# Altium PCB RFSOC_SAWG.PcbDoc (part 2 of 15) (continued)
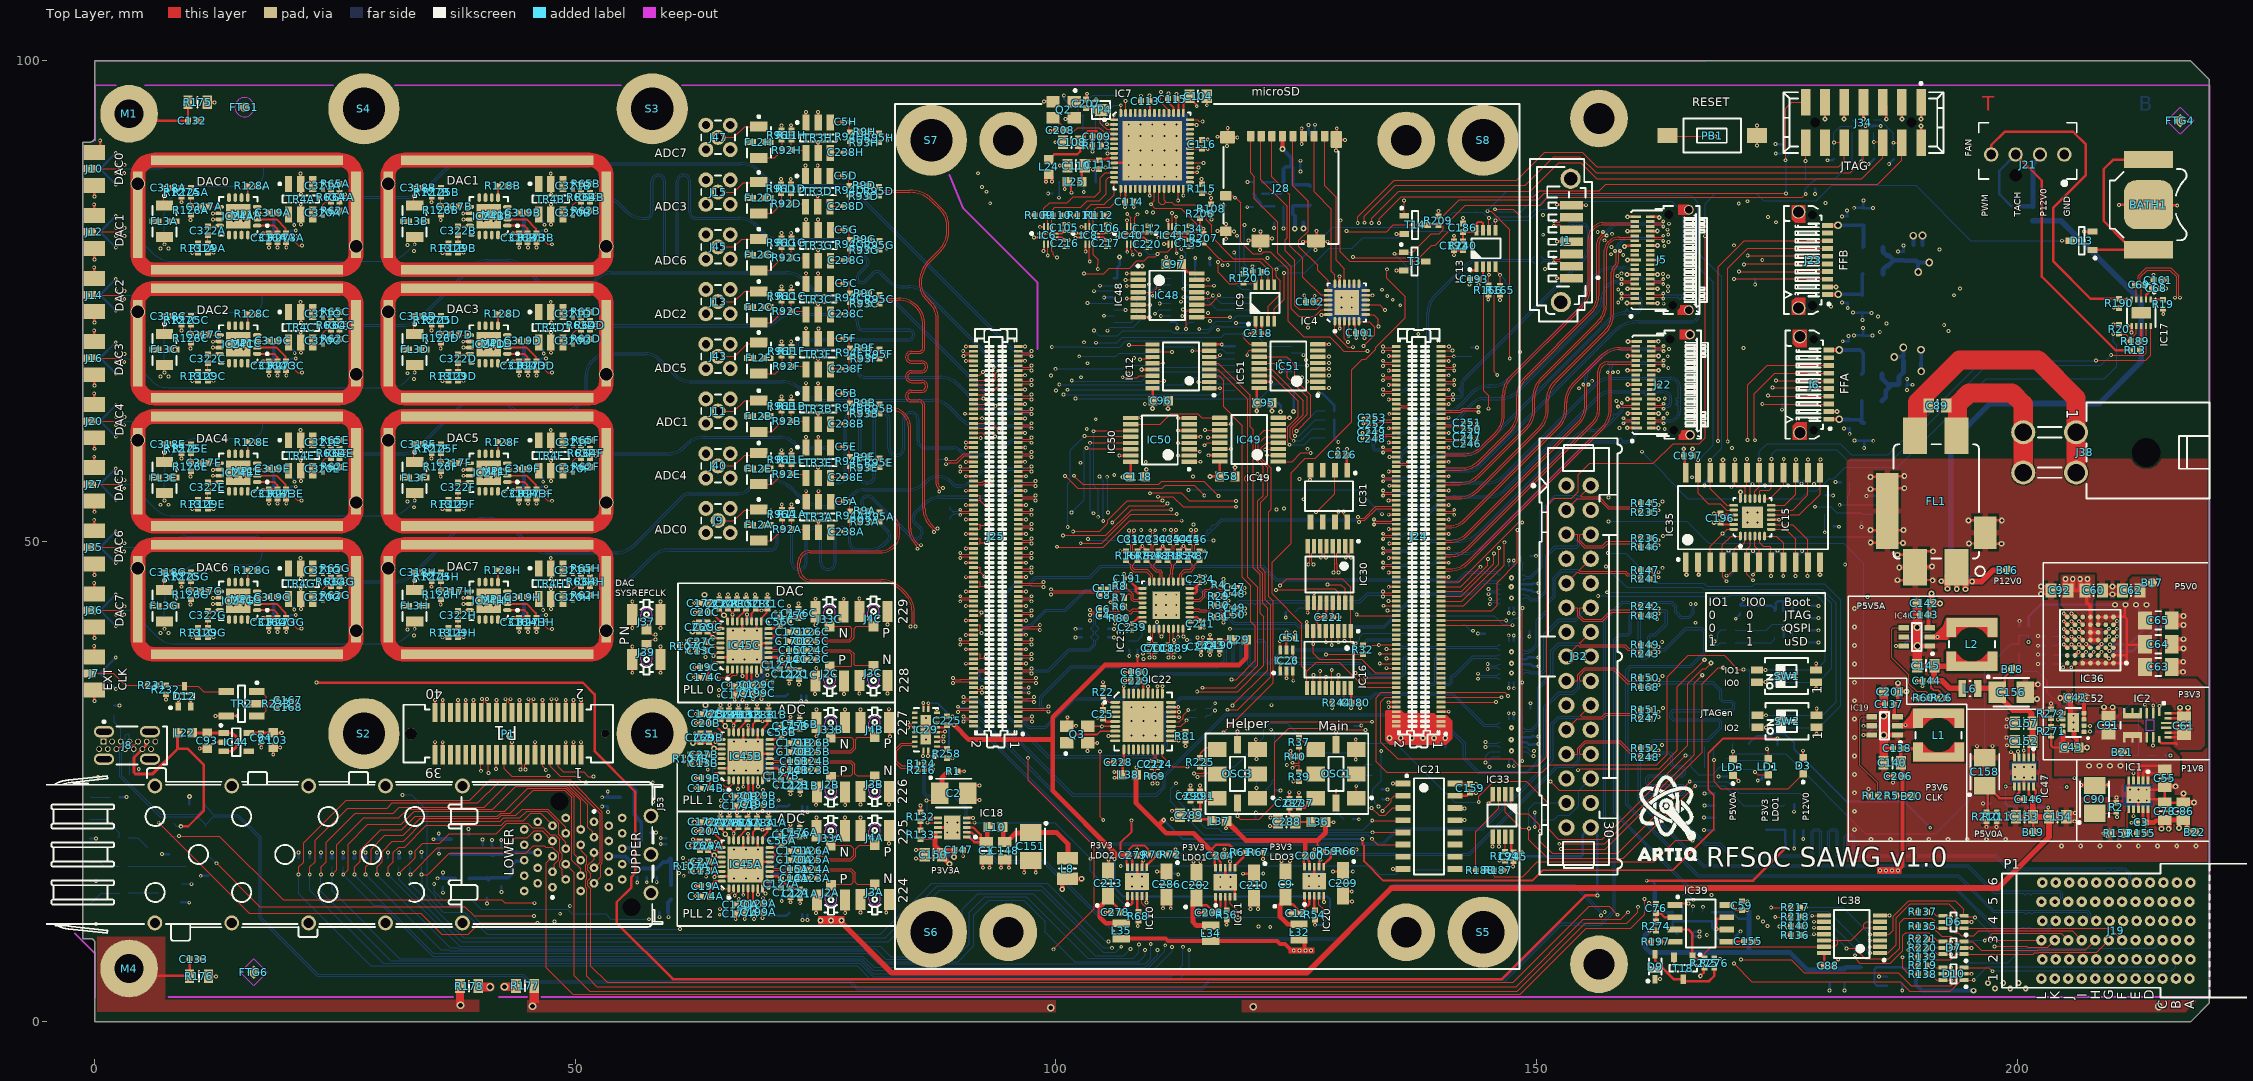
[diagram p0: Top Layer view]
## Components (designator, comment, footprint, x,y, rotation, side; value= is the part's Value field where it differs from the comment) (continued)
FTG2 "Use only in PCB" FIDUCIAL_TOP_S100-200 15.5,95.175 r90 bottom
FTG3 "Use only in PCB" FIDUCIAL_TOP_C100-200 14,5.7 r90 bottom
FTG4 "Use only in PCB" FIDUCIAL_TOP_S100-200 216.975,93.75 r90 top
FTG5 "Use only in PCB" FIDUCIAL_TOP_C100-200 216.975,93.75 r90 bottom
FTG6 "Use only in PCB" FIDUCIAL_TOP_S100-200 16.55,5.15 r90 top
IC1 "LT3045EDD#PBF" SON50P300X300X80-11N-R175X248 212.625,23.625 r270 top
IC2 "MPM3830GQV" MPS_MPM38XXGQV 213.27,30.85 r270 top
IC3 "24AA025E48T-I/OT" SOT95P280X145-6N 176.8,21.3 r270 bottom
IC4 "TXS02612RTWR" QFN50P400X400X80-25N-S255 130.275,74.85 r90 top
IC5 "24AA025E48-I/SN" SOIC127P600X175-8N 175.601,41.378 r180 bottom
IC6 "SN74AVC2T245RSWR" QFN40P140X180X55-10N 99.175,81.825 r0 top
IC7 "FT4232H-56Q" QFN50P800X800X100-57N-S620 110.005,90.62 r0 top
IC8 "SN74AVC2T245RSWR" QFN40P140X180X55-10N 103.483,81.825 r0 top
IC9 "PCA9306DCTR" SOP65P400X130-8N 121.75,74.8 r90 top
IC10 "LT3045EDD#PBF" SON50P300X300X80-11N-R175X248 108.45,14.6 r90 top
IC11 "LT3045EDD#PBF" SON50P300X300X80-11N-R175X248 117.625,14.525 r90 top
IC12 "74LVC595APW" SOP65P640X110-16N 113,68.2 r180 top
IC13 "PCA9306DCTR" SOP65P400X130-8N 144.75,80.475 r90 top
IC14 "MIC5219-3.3YM5" SOT95P280X145-5N 185.175,4.725 r180 bottom
IC15 "TCA9548ARGER" QFN50P400X400X100-25N-S220 172.475,52.5 r90 top
IC16 "SN74CB3T3257PW" SOP65P640X120-16N 128.4,37.7 r270 top
IC17 "LM96163CISD" TEXAS_DSC0010B 212.925,73.775 r270 top
IC18 "LT3045EDD#PBF" SON50P300X300X80-11N-R175X248 89.225,20.225 r180 top
IC19 "AP62201WU-7" SOT95P280X100-6N 186.215,30.81 r180 top
IC20 "LT3045EDD#PBF" SON50P300X300X80-11N-R175X248 126.875,14.625 r90 top
IC21 "SN74LV139AD" SOIC127P600X175-16N 138.825,20.35 r0 top
IC22 "Si5324C-C-GM" QFN50P600X600X90-37N-S425 109.075,31.25 r0 top
IC23 "ADCLK948BCPZ" QFN50P500X500X80-33N-S285 111.475,43.35 r90 top
IC24A "HMC349ALP4CE" QFN65P400X400X100-17N-S255 14.939,83.818 r180 top (schematic designator IC24)
IC24B "HMC349ALP4CE" QFN65P400X400X100-17N-S255 40.974,83.818 r180 top (schematic designator IC24)
IC24C "HMC349ALP4CE" QFN65P400X400X100-17N-S255 14.939,70.483 r180 top (schematic designator IC24)
IC24D "HMC349ALP4CE" QFN65P400X400X100-17N-S255 40.974,70.483 r180 top (schematic designator IC24)
IC24E "HMC349ALP4CE" QFN65P400X400X100-17N-S255 14.939,57.148 r180 top (schematic designator IC24)
IC24F "HMC349ALP4CE" QFN65P400X400X100-17N-S255 40.974,57.148 r180 top (schematic designator IC24)
IC24G "HMC349ALP4CE" QFN65P400X400X100-17N-S255 14.939,43.813 r180 top (schematic designator IC24)
IC24H "HMC349ALP4CE" QFN65P400X400X100-17N-S255 40.974,43.813 r180 top (schematic designator IC24)
IC25 "24AA025E48-I/SN" SOIC127P600X175-8N 171.225,21.875 r0 bottom
IC26 "NC7SZ157P6X" SOT65P210X110-6N 124,37.6 r90 top
IC27 "HD3SS3212RKS" TEXAS_RKS0020A 147.378,45.264 r180 bottom
IC28 "HD3SS3212RKS" TEXAS_RKS0020A 147.378,37.466 r180 bottom
IC29 "HD3SS3212RKS" TEXAS_RKS0020A 86.475,30.4 r180 top
IC30 "MAX9122EUE+" SOP65P640X110-16N 128.475,46.55 r270 top
IC31 "ADN4661BRZ" SOIC127P600X175-8N 128.4,54.7 r270 top
IC32 "74LVC595APW" SOP65P640X110-16N 108.975,75.077 r180 bottom
IC33 "LM75AIMM/NOPB" SOP65P490X109-8N 146.425,21.475 r270 top
IC34 "74LVC595APW" SOP65P640X110-16N 117.35,75.077 r180 bottom
IC35 "PCA9548ADW" SOIC127P1030X265-24N 172.53,52.475 r90 top
IC36 "LTM4638EY" BGA49N80P7X7_625X625X536 207.637,39.729 r180 top
IC37 "M93C46-WMN6TP" SOIC127P600X175-8N 102.225,90.075 r270 bottom
IC38 "74HC4066PW" SOP65P640X110-14N 182.825,9.125 r180 top
IC39 "TLC555ID" SOIC127P600X175-8N 167.1,10.25 r0 top
IC40 "SN74AVC2T245RSWR" QFN40P140X180X55-10N 107.792,81.825 r0 top
IC41 "SN74AVC2T245RSWR" QFN40P140X180X55-10N 112.1,81.825 r0 top
IC42 "HD3SS3212RKS" TEXAS_RKS0020A 147.378,29.359 r180 bottom
IC43 "74LVC595APW" SOP65P640X110-16N 121.55,68 r0 bottom
IC44 "MIC5219-3.3YM5" SOT95P280X145-5N 14.716,29.103 r0 top
IC45A "ADF4355-2BCPZ" QFN50P500X500X80-33N-S375 67.725,16.394 r90 top (schematic designator IC45)
IC45B "ADF4355-2BCPZ" QFN50P500X500X80-33N-S375 67.725,27.635 r90 top (schematic designator IC45)
IC45C "ADF4355-2BCPZ" QFN50P500X500X80-33N-S375 67.597,39.168 r90 top (schematic designator IC45)
IC46 "AP62201WU-7" SOT95P280X100-6N 189.568,40.05 r180 top
IC47 "LT3045EDD#PBF" SON50P300X300X80-11N-R175X248 200.725,26 r270 top
IC48 "SN74LV165APWR" PW0016A_M 111.6,75.6 r0 top
IC49 "SN74LV165APWR" PW0016A_M 120.1,60.575 r180 top
IC50 "SN74LV165APWR" PW0016A_M 110.825,60.552 r180 top
IC51 "SN74LV165APWR" PW0016A_M 124.2,68.225 r180 top
IC52 "TPS82085SIL" TPS82085SILR 205.875,31.15 r180 top
IC53 "24AA025E48T-I/OT" SOT95P280X145-6N 175.726,41.416 r90 bottom
J1 "SATA" MOLEX_67800-5005 153.65,81.165 r90 top locked
J2A "U.FL" HIROSE_U.FL-R-SMT-1(10) 76.6,12.694 r180 top (schematic designator J2)
J2B "U.FL" HIROSE_U.FL-R-SMT-1(10) 76.6,23.935 r180 top (schematic designator J2)
J2C "U.FL" HIROSE_U.FL-R-SMT-1(10) 76.472,35.468 r180 top (schematic designator J2)
J3A "U.FL" HIROSE_U.FL-R-SMT-1(10) 81.15,12.744 r180 top (schematic designator J3)
J3B "U.FL" HIROSE_U.FL-R-SMT-1(10) 81.15,23.985 r180 top (schematic designator J3)
J3C "U.FL" HIROSE_U.FL-R-SMT-1(10) 81.022,35.518 r180 top (schematic designator J3)
J4A "U.FL" HIROSE_U.FL-R-SMT-1(10) 81.15,19.919 r0 top (schematic designator J4)
J4B "U.FL" HIROSE_U.FL-R-SMT-1(10) 81.15,31.16 r0 top (schematic designator J4)
J4C "U.FL" HIROSE_U.FL-R-SMT-1(10) 81.022,42.693 r0 top (schematic designator J4)
J5 "Socket 38" SAMTEC_UEC5-019-2-H-D-RA-1 161.025,79.275 r90 top locked
J6 "Socket 10" SAMTEC_UCC8-010-1-H-S-1-A 180.506,66.295 r90 top locked
J7 "SMP" AMPHENOL_302102 -0.5,36.25 r0 top
J8 "216989-0001" FP-216989-0001-MFG 0.125,28.77 r270 top
J9 "Coax_1Female_1Shield" SAMTEC_MMCX-J-P-H-ST-TH1 64.849,52.153 r0 top
J10 "SMP" AMPHENOL_302102 -0.5,88.75 r0 top
J11 "Coax_1Female_1Shield" SAMTEC_MMCX-J-P-H-ST-TH1 64.849,63.547 r0 top
J12 "SMP" AMPHENOL_302102 -0.5,82.187 r0 top
J13 "Coax_1Female_1Shield" SAMTEC_MMCX-J-P-H-ST-TH1 64.849,74.941 r0 top
J14 "SMP" AMPHENOL_302102 -0.5,75.625 r0 top
J15 "Coax_1Female_1Shield" SAMTEC_MMCX-J-P-H-ST-TH1 64.849,86.335 r90 top
J16 "SMP" AMPHENOL_302102 -0.5,69.062 r0 top
J19 "P1" AMPHENOL_10052825-101LF 210.288,9.5 r90 top locked
J20 "SMP" AMPHENOL_302102 -0.5,62.5 r0 top
J21 "Stiftleiste 4 Pol. 2,54mm" 47053-1000 201.12,89.17 r0 top
J22 "Socket 38" SAMTEC_UEC5-019-2-H-D-RA-1 161.15,66.3 r90 top locked
J23 "Socket 10" SAMTEC_UCC8-010-1-H-S-1-A 180.381,79.27 r90 top locked
J24 "Socket 160" SAMTEC_SS5-80-3.00-L-D-K 137.75,50.522 r270 top locked
J25 "Socket 160" SAMTEC_SS5-80-3.00-L-D-K 93.75,50.522 r270 top locked
J27 "SMP" AMPHENOL_302102 -0.5,55.937 r0 top
J28 "microSD Memory Card Connector with Detec" 104031-0811 123.424,86.644 r180 top locked
J32 "" 3M_N2530-6002RB 154.384,38.018 r270 top locked
J33A "U.FL" HIROSE_U.FL-R-SMT-1(10) 76.575,19.894 r0 top (schematic designator J33)
J33B "U.FL" HIROSE_U.FL-R-SMT-1(10) 76.575,31.135 r0 top (schematic designator J33)
J33C "U.FL" HIROSE_U.FL-R-SMT-1(10) 76.447,42.668 r0 top (schematic designator J33)
J34 "Milli-Grid™" MOLEX_87832-1420 184.025,93.575 r180 top
J35 "SMP" AMPHENOL_302102 -0.5,49.375 r0 top
J36 "SMP" AMPHENOL_302102 -0.5,42.813 r0 top
J37 "U.FL" HIROSE_U.FL-R-SMT-1(10) 57.4,42.375 r0 top
J38 "Mini-Fit Jr.™" MOLEX_39-30-0040 203.4,59.25 r270 top locked
J39 "U.FL" HIROSE_U.FL-R-SMT-1(10) 57.4,37.7 r180 top
J40 "Coax_1Female_1Shield" SAMTEC_MMCX-J-P-H-ST-TH1 64.849,57.85 r90 top
J43 "Coax_1Female_1Shield" SAMTEC_MMCX-J-P-H-ST-TH1 64.849,69.244 r90 top
J45 "Coax_1Female_1Shield" SAMTEC_MMCX-J-P-H-ST-TH1 64.849,80.638 r90 top
J47 "Coax_1Female_1Shield" SAMTEC_MMCX-J-P-H-ST-TH1 64.849,92.031 r0 top
J53 "SFP" MOLEX_75640-5001 49.78,17.415 r0 top locked
L1 "3.3uH" IND_WURTH_WE-TPC_4828 191.84,29.841 r270 top
L2 "3.3uH" IND_WURTH_WE-TPC_4828 195.311,39.275 r270 top
L3 "120R@100MHz" INDC1608X65N 201.65,84.1 r90 bottom
L4 "1uH" INDC2520X120N 184.9,64.6 r180 bottom
L5 "1uH" INDC2520X120N 184.9,67.4 r180 bottom
L6 "2.2uH" IND_WURTH_WE-PMCI_0806LR 195.103,34.685 r0 top
L7 "1uH" INDC2520X120N 185,77.8 r180 bottom
L8 "1uH" INDC2520X120N 101.2,15.95 r90 top
L10 "120R@100MHz" INDC1608X65N 93.7,20.275 r180 top
L12 "1uH" INDC2520X120N 185,80.6 r180 bottom
L20A "120R@100MHz" INDC1608X95N 73.05,11.344 r0 bottom (schematic designator L20)
L20B "120R@100MHz" INDC1608X95N 73.05,22.585 r0 bottom (schematic designator L20)
L20C "120R@100MHz" INDC1608X95N 72.922,34.118 r0 bottom (schematic designator L20)
L22 "120R@100MHz" INDC1608X65N 9.366,30.078 r0 top
L24 "120R@100MHz" INDC1608X65N 99.275,88.95 r90 top
L25 "120R@100MHz" INDC1608X65N 101.925,87.4 r0 top
L26A "4.7uH" INDC2012X145N 63.575,19.844 r270 bottom (schematic designator L26)
L26B "4.7uH" INDC2012X145N 63.575,31.085 r270 bottom (schematic designator L26)
L26C "4.7uH" INDC2012X145N 63.447,42.618 r270 bottom (schematic designator L26)
L27A "120R@100MHz" INDC1608X95N 66.643,11.45 r180 bottom (schematic designator L27)
L27B "120R@100MHz" INDC1608X95N 66.745,22.69 r180 bottom (schematic designator L27)
L27C "120R@100MHz" INDC1608X95N 66.544,34.243 r180 bottom (schematic designator L27)
L28A "120R@100MHz" INDC1608X95N 72.443,13.341 r180 bottom (schematic designator L28)
L28B "120R@100MHz" INDC1608X95N 72.443,24.582 r180 bottom (schematic designator L28)
L28C "120R@100MHz" INDC1608X95N 72.315,36.116 r180 bottom (schematic designator L28)
L29 "120R@100MHz" INDC1608X65N 119.075,39.775 r0 top
L30 "120R@100MHz" INDC1608X65N 59.95,13.475 r90 bottom
L31 "120R@100MHz" INDC1608X65N 54.625,24.15 r90 bottom
L32 "2.2uH" IND_WURTH_WE-PMCI_0806LR 125.3,9.35 r90 top
L34 "2.2uH" IND_WURTH_WE-PMCI_0806LR 116.1,9.225 r90 top
L35 "2.2uH" IND_WURTH_WE-PMCI_0806LR 106.81,9.464 r90 top
L36 "120R@100MHz" INDC1608X65N 127.3,20.8 r180 top
L37 "120R@100MHz" INDC1608X65N 117,20.9 r180 top
L38 "120R@100MHz" INDC1608X65N 107.6,25.7 r0 top
L54A "390R@100MHz" INDC1608X95N 19.409,83.639 r0 bottom (schematic designator L54)
L54B "390R@100MHz" INDC1608X95N 45.444,83.664 r0 bottom (schematic designator L54)
L54C "390R@100MHz" INDC1608X95N 19.409,70.329 r0 bottom (schematic designator L54)
L54D "390R@100MHz" INDC1608X95N 45.444,70.354 r0 bottom (schematic designator L54)
L54E "390R@100MHz" INDC1608X95N 19.409,56.894 r0 bottom (schematic designator L54)
L54F "390R@100MHz" INDC1608X95N 45.444,56.944 r0 bottom (schematic designator L54)
L54G "390R@100MHz" INDC1608X95N 19.409,43.634 r0 bottom (schematic designator L54)
L54H "390R@100MHz" INDC1608X95N 45.444,43.634 r0 bottom (schematic designator L54)
L55 "120R@100MHz" INDC1608X65N 37.05,18.25 r270 bottom
L56 "120R@100MHz" INDC1608X65N 38.25,14.925 r0 bottom
LD1 "Green" LED_KINGBRIGHT_KPH-1608CGCK 174.125,26.55 r90 top
LD2 "Green" LED_AVAGO_HSME-C120 -0.5,15.633 r270 bottom
LD3 "Green" LED_KINGBRIGHT_KPH-1608CGCKr 170.45,26.5 r90 top
LD4 "Red" LED_AVAGO_HSMC-C120 -0.5,24.5 r270 bottom
LD5 "Green" LED_AVAGO_HSME-C120 -0.5,11.2 r270 bottom
LD15 "Green" LED_AVAGO_HSME-C120 -0.5,20.067 r270 bottom
M1 "Plated Hole" MTG300_600 3.569,94.486 r0 top locked
M4 "Plated Hole" MTG300_600 3.57,5.55 r0 top locked
MP1A "3670230" 3670230 15.828,83.96 r180 top locked (schematic designator MP1)
MP1B "3670230" 3670230 41.863,83.96 r180 top locked (schematic designator MP1)
MP1C "3670230" 3670230 15.828,70.625 r180 top locked (schematic designator MP1)
MP1D "3670230" 3670230 41.863,70.625 r180 top locked (schematic designator MP1)
MP1E "3670230" 3670230 15.828,57.29 r180 top locked (schematic designator MP1)
MP1F "3670230" 3670230 41.863,57.29 r180 top locked (schematic designator MP1)
MP1G "3670230" 3670230 15.828,43.955 r180 top locked (schematic designator MP1)
MP1H "3670230" 3670230 41.863,43.955 r180 top locked (schematic designator MP1)
NT1 "Net Tie" "Net Tie" 216.371,41.25 r0 bottom net-tie
OSC1 "0.2-250MHz" OSC_SILICON-LAB_SI549-A 129.15,25.809 r180 top
OSC3 "0.2-250MHz" OSC_SILICON-LAB_SI549-A 118.885,25.809 r180 top
P1 "658855603040" 658855603040 43,30 r180 top
PB1 "Push Button" PB_TYCO_FSMSM 168.3,92.225 r180 top
Plate1 "Cover SFP" AMPHENOL_U77A11108000P -14.862,17.084 r0 top
Q1 "TPS27081ADDCR" SOT95P280X110-6N 123.697,86.123 r270 bottom
Q2 "12MHz" XTAL_TXC_7M 100.8,94.9 r270 top
Q3 "114.285MHZ" XTAL_CONNOR_CS 102.222,29.91 r90 top
R1 "33k" RESC1005X40N 89.3,26.075 r180 top
R2 "18k" RESC1005X40N 210.325,22.35 r270 top
R3 "10K" RESC1005X40N 203.85,25.4 r0 bottom value=10k
R4 "200" RESC1005X40N 116.95,45.5 r0 top
R5 "56k" RESC1005X40N 186.95,23.55 r0 top
R6 "200" RESC1005X40N 106.65,43.2 r180 top
R7 "200" RESC1005X40N 106.65,44.125 r180 top
R8 "200" RESC1005X40N 106.65,45.35 r180 top
R9A "17R4" RESC1005X40N 80.127,53.169 r0 top (schematic designator R9)
R9B "17R4" RESC1005X40N 80.101,64.407 r0 top (schematic designator R9)
R9C "17R4" RESC1005X40N 80.101,75.837 r0 top (schematic designator R9)
R9D "17R4" RESC1005X40N 80.052,87.043 r0 top (schematic designator R9)
R9E "17R4" RESC1005X40N 80.101,58.819 r0 top (schematic designator R9)
R9F "17R4" RESC1005X40N 80.101,70.122 r0 top (schematic designator R9)
R9G "17R4" RESC1005X40N 80.101,81.425 r0 top (schematic designator R9)
R9H "17R4" RESC1005X40N 80.09,92.62 r0 top (schematic designator R9)
R10 "33k" RESC1005X40N 129.875,15.633 r180 bottom
R11A "Undefined" RESC1005X40N 72.507,52.826 r90 top (schematic designator R11)
R11B "Undefined" RESC1005X40N 72.481,64.064 r90 top (schematic designator R11)
R11C "Undefined" RESC1005X40N 72.481,75.494 r90 top (schematic designator R11)
R11D "Undefined" RESC1005X40N 72.432,86.7 r90 top (schematic designator R11)
R11E "Undefined" RESC1005X40N 72.481,58.476 r90 top (schematic designator R11)
R11F "Undefined" RESC1005X40N 72.481,69.779 r90 top (schematic designator R11)
R11G "Undefined" RESC1005X40N 72.481,81.082 r90 top (schematic designator R11)
R11H "Undefined" RESC1005X40N 72.47,92.277 r90 top (schematic designator R11)
R12 "16k" RESC1005X40N 185.025,23.55 r0 top
R13 "12k" RESC1005X40N 212.3,69.875 r180 top
R14A "1k2" RESC1005X40N 70.4,14.944 r270 bottom (schematic designator R14)
R14B "1k2" RESC1005X40N 70.375,26.185 r270 bottom (schematic designator R14)
R14C "1k2" RESC1005X40N 70.147,37.593 r270 bottom (schematic designator R14)
R15A "4k7" RESC1005X40N 67.9,20.709 r90 top (schematic designator R15)
R15B "4k7" RESC1005X40N 67.9,31.95 r90 top (schematic designator R15)
R15C "4k7" RESC1005X40N 67.772,43.483 r90 top (schematic designator R15)
R16 "200" RESC1005X40N 107.3,48.5 r90 top
R17A "1k2" RESC1005X40N 70.316,17.276 r180 bottom (schematic designator R17)
R17B "1k2" RESC1005X40N 70.316,28.491 r180 bottom (schematic designator R17)
R17C "1k2" RESC1005X40N 70.188,40.025 r180 bottom (schematic designator R17)
R18A "1k2" RESC1005X40N 69.925,18.594 r90 bottom (schematic designator R18)
R18B "1k2" RESC1005X40N 69.925,29.835 r90 bottom (schematic designator R18)
R18C "1k2" RESC1005X40N 69.797,41.368 r90 bottom (schematic designator R18)
R19 "10K" RESC1005X40N 215.2,74.675 r90 top value=10k
R20 "10K" RESC1005X40N 210.625,72.075 r270 top value=10k
R21 "200" RESC1005X40N 111.6,48.5 r90 top
R22 "200" RESC1005X40N 104.929,34.284 r270 top
R23 "4K7" RESC1005X40N 172.271,77.299 r180 bottom value=4k7
R24 "200" RESC1005X40N 113.725,48.5 r90 top
R25 "33k" RESC1005X40N 120.55,15.4 r180 bottom
R26 "30k" RESC1005X40N 192.145,33.7 r0 top
R27 "0" RESC1005X40N 112.92,40.757 r0 bottom
R28 "5k1" RESC1005X40N 201.225,40.7 r90 bottom
R29 "200" RESC1005X40N 116.95,44.3 r0 top
R30 "200" RESC1005X40N 116.95,43.35 r0 top
R31 "200" RESC1005X40N 116.95,42.15 r0 top
R32 "0" RESC1005X40N 131.95,38.725 r270 top
R33 "10k" RESC1005X40N 169.355,47.825 r90 bottom
R34 "2k2" RESC1005X40N 130.4,21.1 r0 bottom
R35 "2k2" RESC1005X40N 130.6,30.8 r0 bottom
R36 "0" RESC1005X40N 133.4,26.8 r180 bottom
R37 "30" RESC1005X40N 125.3,29.1 r270 top
R38 "0" RESC1005X40N 133.4,25.65 r0 bottom
R39 "200" RESC1005X40N 125.3,25.5 r90 top
R40 "200" RESC1005X40N 124.9,27.6 r0 top
R41 "2k2" RESC1005X40N 120.3,21.1 r0 bottom
R42 "10k" RESC1005X40N 170.625,47.825 r90 bottom
R43 "10k" RESC1005X40N 171.895,47.825 r90 bottom
R44 "10k" RESC1005X40N 173.165,47.825 r90 bottom
R45 "10k" RESC1005X40N 174.435,47.825 r90 bottom
R46 "10k" RESC1005X40N 175.705,47.825 r90 bottom
R47 "200" RESC1005X40N 108.5,48.5 r90 top
R48 "200" RESC1005X40N 110.66,48.5 r90 top
R49 "10k" RESC1005X40N 176.975,47.825 r90 bottom
R50 "2k2" RESC1005X40N 119.43,31.1 r0 bottom
R51 "10k" RESC1005X40N 178.245,47.825 r90 bottom
R52 "10k" RESC1005X40N 179.515,57.125 r270 bottom
R53 "10k" RESC1005X40N 178.245,57.125 r270 bottom
R54 "0" RESC1005X40N 126.95,11.125 r90 top
R55 "10k" RESC1005X40N 176.975,57.125 r270 bottom
R56 "0" RESC1005X40N 117.775,11.125 r90 top
R57 "10k" RESC1005X40N 175.705,57.125 r270 bottom
R58 "10k" RESC1005X40N 175.925,91.325 r180 bottom
R59 "430k" RESC1005X40N 128.3,17.75 r180 top
R60 "5k1" RESC1005X40N 190.275,33.7 r0 top
R61 "82k" RESC1005X40N 119.25,17.65 r180 top
R62A "17R4" RESC1005X40N 25.032,84.407 r0 top (schematic designator R62)
R62B "17R4" RESC1005X40N 51.067,84.407 r0 top (schematic designator R62)
R62C "17R4" RESC1005X40N 25.032,71.072 r0 top (schematic designator R62)
R62D "17R4" RESC1005X40N 51.067,71.072 r0 top (schematic designator R62)
R62E "17R4" RESC1005X40N 25.032,57.737 r0 top (schematic designator R62)
R62F "17R4" RESC1005X40N 51.067,57.737 r0 top (schematic designator R62)
R62G "17R4" RESC1005X40N 25.032,44.402 r0 top (schematic designator R62)
R62H "17R4" RESC1005X40N 51.067,44.402 r0 top (schematic designator R62)
R63A "590" RESC1005X40N 24.568,85.812 r90 top (schematic designator R63)
R63B "590" RESC1005X40N 50.603,85.812 r90 top (schematic designator R63)
R63C "590" RESC1005X40N 24.568,72.477 r90 top (schematic designator R63)
R63D "590" RESC1005X40N 50.603,72.477 r90 top (schematic designator R63)
R63E "590" RESC1005X40N 24.568,59.142 r90 top (schematic designator R63)
R63F "590" RESC1005X40N 50.603,59.142 r90 top (schematic designator R63)
R63G "590" RESC1005X40N 24.568,45.807 r90 top (schematic designator R63)
R63H "590" RESC1005X40N 50.603,45.807 r90 top (schematic designator R63)
R64A "590" RESC1005X40N 25.484,85.812 r90 top (schematic designator R64)
R64B "590" RESC1005X40N 51.519,85.812 r90 top (schematic designator R64)
R64C "590" RESC1005X40N 25.484,72.477 r90 top (schematic designator R64)
R64D "590" RESC1005X40N 51.519,72.477 r90 top (schematic designator R64)
R64E "590" RESC1005X40N 25.484,59.142 r90 top (schematic designator R64)
R64F "590" RESC1005X40N 51.519,59.142 r90 top (schematic designator R64)
R64G "590" RESC1005X40N 25.484,45.807 r90 top (schematic designator R64)
R64H "590" RESC1005X40N 51.519,45.807 r90 top (schematic designator R64)
R65A "17R4" RESC1005X40N 25.022,87.199 r0 top (schematic designator R65)
R65B "17R4" RESC1005X40N 51.057,87.199 r0 top (schematic designator R65)
R65C "17R4" RESC1005X40N 25.022,73.864 r0 top (schematic designator R65)
R65D "17R4" RESC1005X40N 51.057,73.864 r0 top (schematic designator R65)
R65E "17R4" RESC1005X40N 25.022,60.529 r0 top (schematic designator R65)
R65F "17R4" RESC1005X40N 51.057,60.529 r0 top (schematic designator R65)
R65G "17R4" RESC1005X40N 25.022,47.194 r0 top (schematic designator R65)
R65H "17R4" RESC1005X40N 51.057,47.194 r0 top (schematic designator R65)
R66 "82k" RESC1005X40N 130.225,17.75 r180 top
R67 "10k" RESC1005X40N 121.1,17.65 r0 top
R68 "0" RESC1005X40N 108.575,11 r90 top
R69 "100" RESC1005X40N 110.299,25.581 r180 top
R70 "82k" RESC1005X40N 110.075,17.4 r180 top
R71 "33k" RESC1005X40N 111.625,15.575 r180 bottom
R72 "10k" RESC1005X40N 111.975,17.4 r0 top
R73 "10k" RESC1005X40N 104.95,40 r180 bottom
R74 "10k" RESC1005X40N 108.425,39.2 r270 bottom
R75 "10k" RESC1005X40N 103.15,40 r0 bottom
R76 "10k" RESC1005X40N 104.95,40.925 r180 bottom
R77 "10k" RESC1005X40N 107.525,39.2 r90 bottom
R78 "10k" RESC1005X40N 103.15,40.925 r0 bottom
R79 "1k" RESC1005X40N 174.6,28.925 r0 bottom
R80 "200" RESC1005X40N 106.65,42 r180 top
R81 "4k7" RESC1005X40N 113.486,29.732 r90 top
R82 "200" RESC1005X40N 109.45,48.5 r90 top
R83 "0" RESC1005X40N 112.751,39.096 r180 bottom
R84 "0" RESC1005X40N 115.064,32.648 r180 bottom
R85 "200" RESC1005X40N 112.8,48.5 r90 top
R86 "0" RESC1005X40N 115.064,31.675 r180 bottom
R87 "200" RESC1005X40N 114.937,48.5 r90 top
R88 "10k" RESC1005X40N 133.45,23.2 r0 bottom
R89 "10k" RESC1005X40N 122.3,23.2 r0 bottom
R90 "10k" RESC1005X40N 133.45,24.2 r180 bottom
R91 "10k" RESC1005X40N 122.29,24.1 r180 bottom
R92A "0" RESC1005X40N 72.037,51.264 r0 top (schematic designator R92)
R92B "0" RESC1005X40N 72.011,62.502 r0 top (schematic designator R92)
R92C "0" RESC1005X40N 72.011,73.932 r0 top (schematic designator R92)
R92D "0" RESC1005X40N 71.962,85.138 r0 top (schematic designator R92)
R92E "0" RESC1005X40N 72,57 r0 top (schematic designator R92)
R92F "0" RESC1005X40N 72.011,68.217 r0 top (schematic designator R92)
R92G "0" RESC1005X40N 72.011,79.52 r0 top (schematic designator R92)
R92H "0" RESC1005X40N 72,90.715 r0 top (schematic designator R92)
R93A "17R4" RESC1005X40N 80.089,52.026 r0 top (schematic designator R93)
R93B "17R4" RESC1005X40N 80.063,63.264 r0 top (schematic designator R93)
R93C "17R4" RESC1005X40N 80.063,74.694 r0 top (schematic designator R93)
R93D "17R4" RESC1005X40N 80.014,85.9 r0 top (schematic designator R93)
R93E "17R4" RESC1005X40N 80.063,57.676 r0 top (schematic designator R93)
R93F "17R4" RESC1005X40N 80.063,68.979 r0 top (schematic designator R93)
R93G "17R4" RESC1005X40N 80.063,80.282 r0 top (schematic designator R93)
R93H "17R4" RESC1005X40N 80.052,91.477 r0 top (schematic designator R93)
R94A "590" RESC1005X40N 78.603,52.661 r90 top (schematic designator R94)
R94B "590" RESC1005X40N 78.577,63.899 r90 top (schematic designator R94)
R94C "590" RESC1005X40N 78.577,75.329 r90 top (schematic designator R94)
R94D "590" RESC1005X40N 78.528,86.535 r90 top (schematic designator R94)
R94E "590" RESC1005X40N 78.577,58.311 r90 top (schematic designator R94)
R94F "590" RESC1005X40N 78.577,69.614 r90 top (schematic designator R94)
R94G "590" RESC1005X40N 78.577,80.917 r90 top (schematic designator R94)
R94H "590" RESC1005X40N 78.566,92.112 r90 top (schematic designator R94)
R95A "590" RESC1005X40N 81.651,52.534 r90 top (schematic designator R95)
R95B "590" RESC1005X40N 81.625,63.772 r90 top (schematic designator R95)
R95C "590" RESC1005X40N 81.625,75.202 r90 top (schematic designator R95)
R95D "590" RESC1005X40N 81.576,86.408 r90 top (schematic designator R95)
R95E "590" RESC1005X40N 81.625,58.184 r90 top (schematic designator R95)
R95F "590" RESC1005X40N 81.625,69.487 r90 top (schematic designator R95)
R95G "590" RESC1005X40N 81.625,80.79 r90 top (schematic designator R95)
R95H "590" RESC1005X40N 81.614,91.985 r90 top (schematic designator R95)
R96A "Undefined" RESC1005X40N 71.491,52.826 r90 top (schematic designator R96)
R96B "Undefined" RESC1005X40N 71.465,64.064 r90 top (schematic designator R96)
R96C "Undefined" RESC1005X40N 71.465,75.494 r90 top (schematic designator R96)
R96D "Undefined" RESC1005X40N 71.416,86.7 r90 top (schematic designator R96)
R96E "Undefined" RESC1005X40N 71.465,58.476 r90 top (schematic designator R96)
R96F "Undefined" RESC1005X40N 71.465,69.779 r90 top (schematic designator R96)
R96G "Undefined" RESC1005X40N 71.465,81.082 r90 top (schematic designator R96)
R96H "Undefined" RESC1005X40N 71.454,92.277 r90 top (schematic designator R96)
R97 "0" RESC1005X40N 122.29,26.25 r180 bottom
R98 "0" RESC1005X40N 122.29,25.3 r0 bottom
R99 "5k1" RESC1005X40N 2.025,32.45 r90 bottom
R100 "5k1" RESC1005X40N 4.1,25.725 r0 bottom
R101 "10k" RESC1005X40N 174.435,57.125 r270 bottom
R102 "10k" RESC1005X40N 173.165,57.125 r270 bottom
R103 "10k" RESC1005X40N 171.895,57.125 r270 bottom
R104 "10k" RESC1005X40N 170.625,57.125 r270 bottom
R105 "Undefined" RESC1005X40N 200.25,38.85 r270 bottom
R106 "0" RESC1005X40N 203.85,24.45 r0 bottom
R107A "100" RESC1005X40N 62.071,16.199 r90 top (schematic designator R107)
R107B "100" RESC1005X40N 61.982,27.354 r90 top (schematic designator R107)
R107C "100" RESC1005X40N 61.697,39.068 r90 top (schematic designator R107)
R108 "10k" RESC1005X40N 116.15,84.6 r90 top
R109 "10k" RESC1005X40N 98.275,83.925 r180 top
R110 "10k" RESC1005X40N 100.125,83.925 r0 top
R111 "10k" RESC1005X40N 102.675,83.925 r180 top
R112 "10k" RESC1005X40N 104.525,83.925 r0 top
R113 "12k" RESC1005X40N 104.26,91.17 r0 top
R114 "2k2" RESC1005X40N 7.725,20.675 r180 bottom
R115 "10k" RESC1005X40N 115.2,86.675 r270 top
R116 "200k" RESC1005X40N 120.95,78.05 r0 top
R117 "10K" RESC1005X40N 172.675,35.334 r180 bottom value=10k
R118 "10K" RESC1005X40N 172.675,36.609 r180 bottom value=10k
R119 "10k" RESC1005X40N 104.175,94.88 r90 bottom
R120 "2k2" RESC1005X40N 119.525,77.375 r270 top
R121 "10K" RESC1005X40N 200.25,40.7 r270 bottom value=10k
R122 "10k" RESC1005X40N 143.225,69.7 r270 bottom
R123 "0" RESC1005X40N 189.5,5.075 r90 bottom
R124 "0" RESC0603X28N 85.992,26.865 r0 top
R125A "0" RESC1005X40N 10,86.32 r90 top (schematic designator R125)
R125B "0" RESC1005X40N 36.035,86.32 r90 top (schematic designator R125)
R125C "0" RESC1005X40N 10,72.985 r90 top (schematic designator R125)
R125D "0" RESC1005X40N 36.035,72.985 r90 top (schematic designator R125)
R125E "0" RESC1005X40N 10,59.65 r90 top (schematic designator R125)
R125F "0" RESC1005X40N 36.035,59.65 r90 top (schematic designator R125)
R125G "0" RESC1005X40N 10,46.315 r90 top (schematic designator R125)
R125H "0" RESC1005X40N 36.035,46.315 r90 top (schematic designator R125)
R126A "0" RESC1005X40N 9.986,84.453 r90 top (schematic designator R126)
R126B "0" RESC1005X40N 36.021,84.453 r90 top (schematic designator R126)
R126C "0" RESC1005X40N 9.986,71.118 r90 top (schematic designator R126)
R126D "0" RESC1005X40N 36.021,71.118 r90 top (schematic designator R126)
R126E "0" RESC1005X40N 9.986,57.783 r90 top (schematic designator R126)
R126F "0" RESC1005X40N 36.021,57.783 r90 top (schematic designator R126)
R126G "0" RESC1005X40N 9.986,44.448 r90 top (schematic designator R126)
R126H "0" RESC1005X40N 36.021,44.448 r90 top (schematic designator R126)
R127A "0" RESC1005X40N 9.025,86.32 r90 top (schematic designator R127)
R127B "0" RESC1005X40N 35.06,86.32 r90 top (schematic designator R127)
R127C "0" RESC1005X40N 9.025,72.985 r90 top (schematic designator R127)
R127D "0" RESC1005X40N 35.06,72.985 r90 top (schematic designator R127)
R127E "0" RESC1005X40N 9.025,59.65 r90 top (schematic designator R127)
R127F "0" RESC1005X40N 35.06,59.65 r90 top (schematic designator R127)
R127G "0" RESC1005X40N 9.025,46.315 r90 top (schematic designator R127)
R127H "0" RESC1005X40N 35.06,46.315 r90 top (schematic designator R127)
R128A "4k7" RESC1005X40N 16.39,86.993 r180 top (schematic designator R128)
R128B "4k7" RESC1005X40N 42.425,86.993 r180 top (schematic designator R128)
R128C "4k7" RESC1005X40N 16.39,73.658 r180 top (schematic designator R128)
R128D "4k7" RESC1005X40N 42.425,73.658 r180 top (schematic designator R128)
R128E "4k7" RESC1005X40N 16.39,60.323 r180 top (schematic designator R128)
R128F "4k7" RESC1005X40N 42.425,60.323 r180 top (schematic designator R128)
R128G "4k7" RESC1005X40N 16.39,46.988 r180 top (schematic designator R128)